# KiCad board prototype-mk1_panel.kicad_pcb
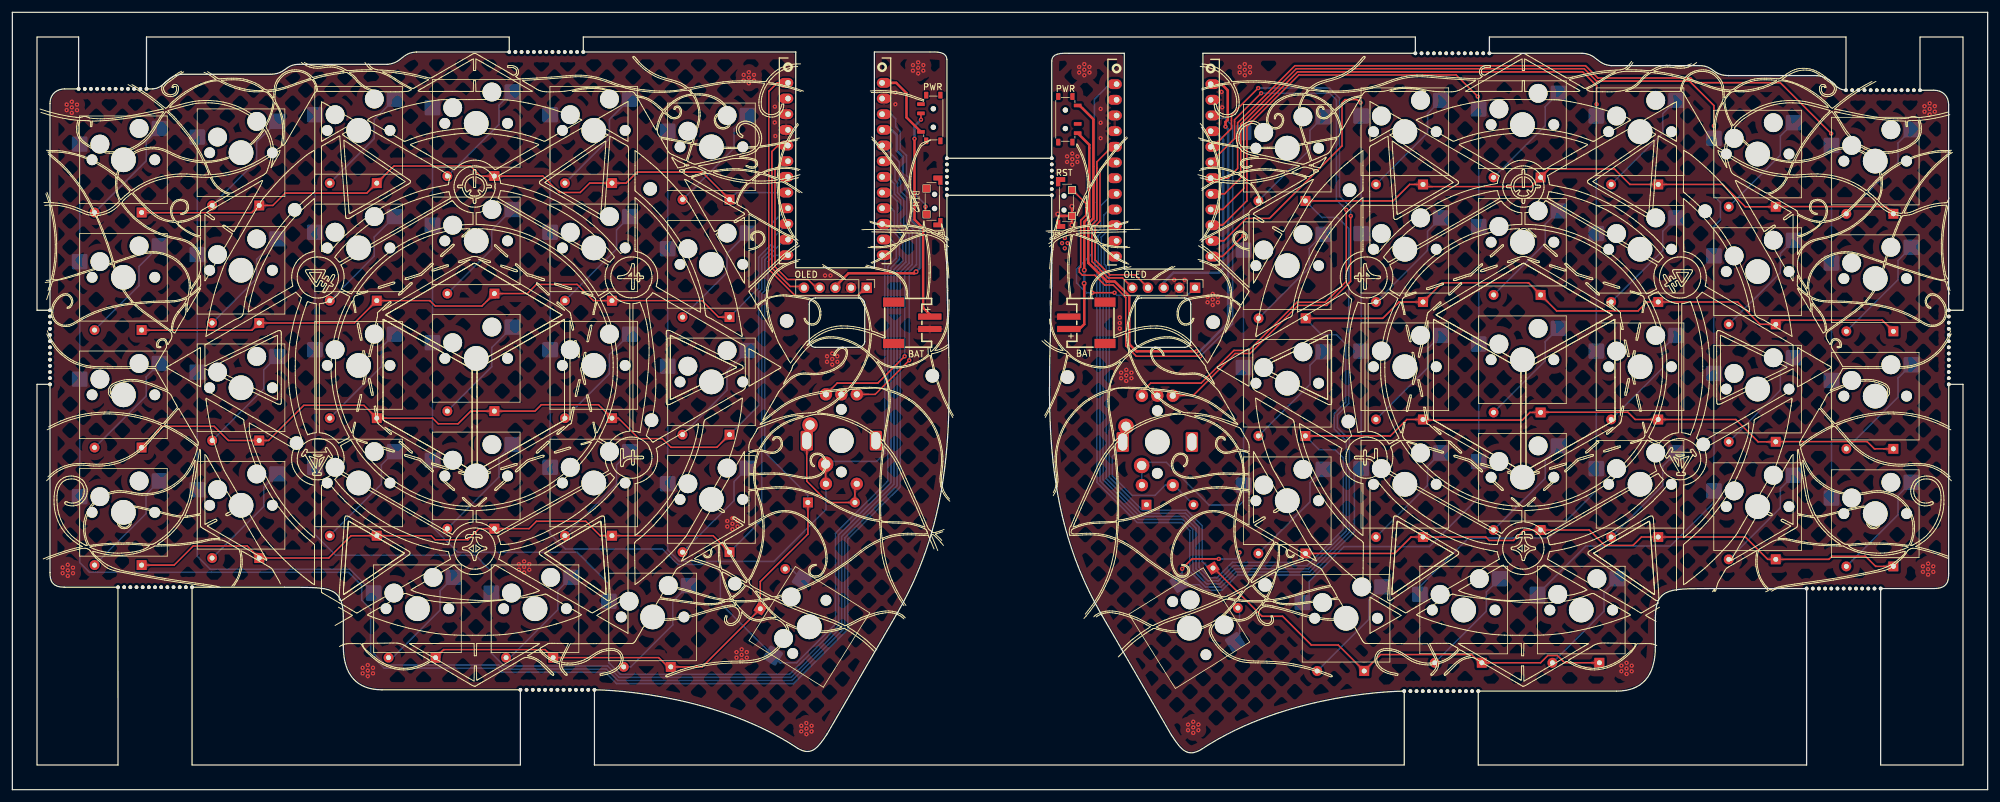
[diagram p0: board, top side]
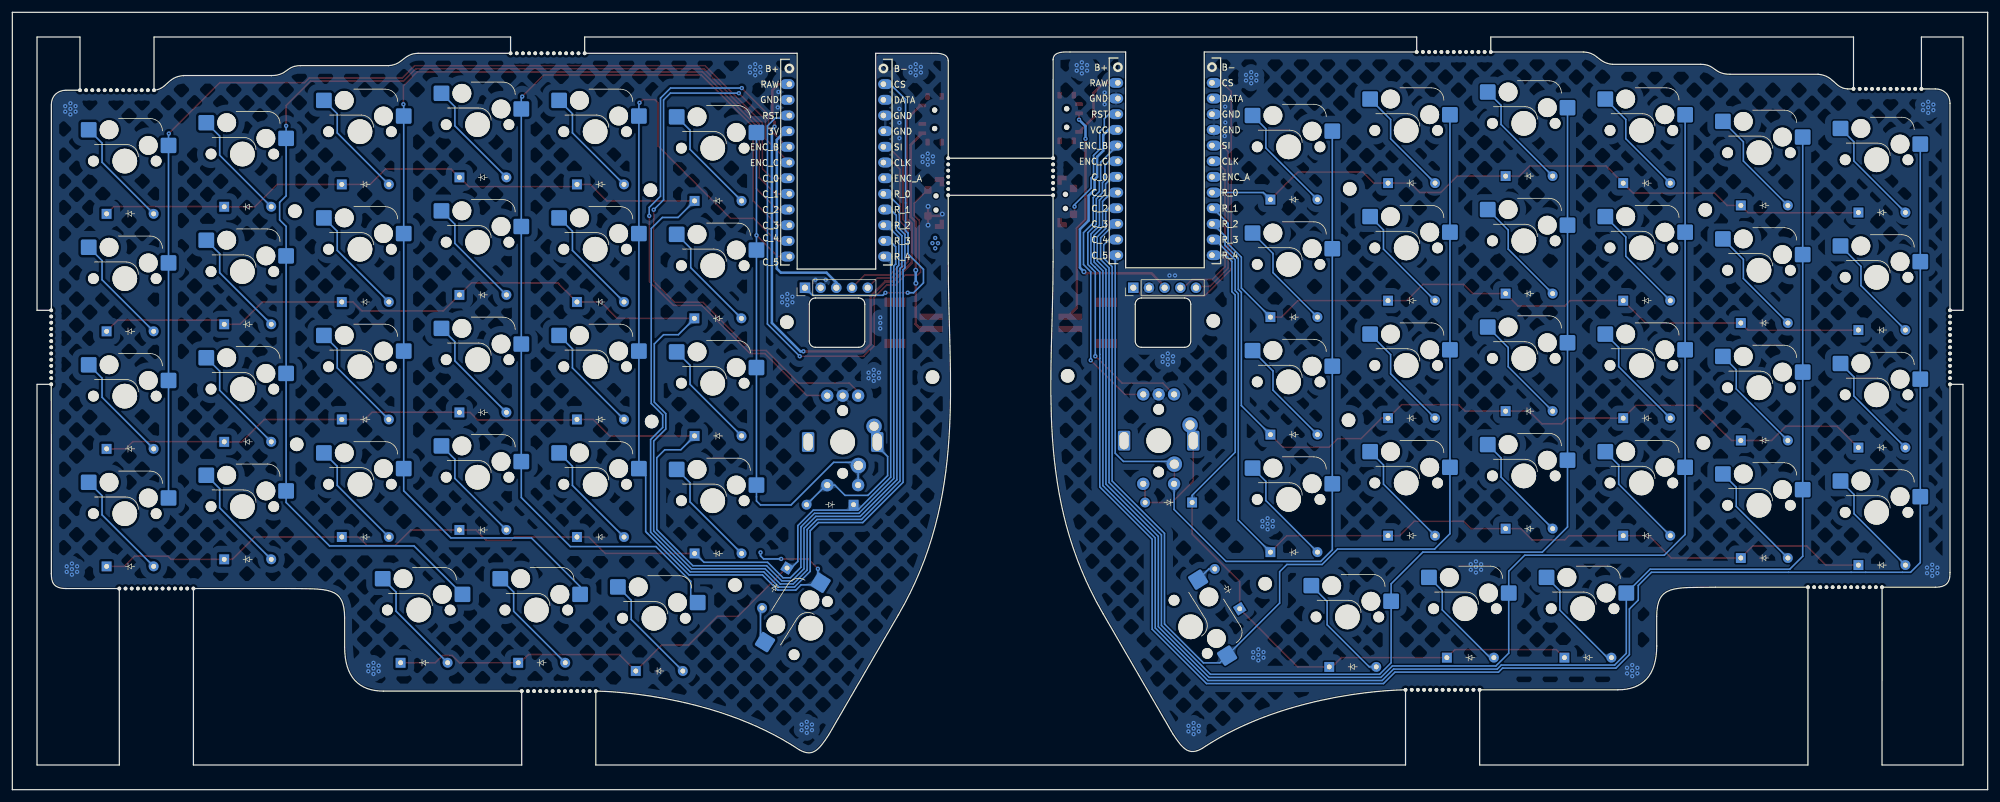
[diagram p1: board, bottom side, seen from below]

Outline 320 x 126 mm; copper layers: Top, Bottom. Coordinates in mm from the lower left corner of the outline.
Outline path: 6.1,35.19 6.1,65.7 4,65.7 4,4 17.11,4 17.1,32.82 8.48,32.82 ; 6.1,111.21 6.1,77.7 4,77.7 4,122 10.73,122 10.73,113.59 8.48,113.59 ; 22.73,113.59 21.73,113.59 21.73,122 80.49,122 80.49,119.57 65.49,119.57 ; 41.74,115.96 27.48,115.96 ; 44.11,32.82 29.11,32.82 29.11,4 82.3,4 82.3,16.19 59.9,16.19 ; 46.49,117.57 60.74,117.57 ; 53.62,28.07 53.62,23.32 ; 94.3,16.19 94.3,4 225.48,4 225.48,15.97 ; 130.09,71.7 arc(129.39,71.99) 129.09,72.7 129.09,78.7 arc(129.39,79.41) 130.1,79.7 137.09,79.7 arc(137.8,79.41) 138.09,78.7 138.09,72.7 arc(137.8,71.99) 137.09,71.7 130.1,71.7 ; 132.01,9.06 143.29,28.51 ; 148.64,119.57 139.65,119.57 139.65,84.59 126.92,84.59 126.92,119.57 92.49,119.57 92.49,122 227.29,122 227.29,119.36 192.87,119.36 192.87,84.38 180.14,84.38 180.14,119.36 171.14,119.36 ; 151.4,118.34 151.4,102.35 168.39,102.35 168.39,118.13 ; 151.4,85.57 151.4,96.35 168.39,96.35 168.39,85.36 ; 187.77,8.85 176.49,28.3 ; 259.88,15.97 237.48,15.97 237.48,4 290.67,4 290.67,32.6 275.67,32.6 ; 254.29,119.36 239.29,119.36 239.29,122 297.05,122 297.05,113.37 ; 266.17,23.1 266.17,27.85 ; 273.29,117.36 259.04,117.36 ; 278.04,115.75 278.04,115.75 292.3,115.75 292.3,115.75 ; 311.3,32.6 302.67,32.6 302.67,4 316,4 316,65.7 313.7,65.7 313.68,34.98 313.68,34.98 ; 311.3,113.37 309.05,113.37 309.05,122 316,122 316,77.7 313.68,77.7 313.68,111 ; 0,126 320,126 320,0 0,0 0,126 ; 181.9,78.7 arc(182.19,79.41) 182.9,79.7 189.9,79.7 arc(190.61,79.41) 190.9,78.7 190.9,72.7 arc(190.61,71.99) 189.9,71.7 182.9,71.7 arc(182.19,71.99) 181.9,72.7 181.9,78.7
Stack: Top 0.035mm / dielectric 1.51mm FR4 er 4.5 / Bottom 0.035mm

## Placement (name value [footprint] x y rotation side)
BJ1  BATT_CON_1  [Connector_1x02_JST-PH]  145.7 75.67 270 top
BJ2  BATT_CON  [Connector_1x02_JST-PH]  174.09 75.67 90 top
BTN1  PWR_SW  [Switch_MSK12C02]  149.2 108.87 270 top
BTN2  RST_SW  [Right-Angle_PushButton]  149.4 95.35 270 top
BTN3  PWR_SW  [Switch_MSK12C02]  170.59 108.66 90 top
BTN4  RST_SW  [Right-Angle_PushButton]  170.37 95.1 90 top
D1  Diode  [Diode_DO-35]  20.94 93.55 180 bottom
D2  Diode  [Diode_DO-35]  20.94 74.5 180 bottom
D3  Diode  [Diode_DO-35]  20.94 55.45 180 bottom
D4  Diode  [Diode_DO-35]  20.94 36.4 180 bottom
D5  Diode  [Diode_DO-35]  39.99 94.7 180 bottom
D6  Diode  [Diode_DO-35]  39.99 75.65 180 bottom
D7  Diode  [Diode_DO-35]  39.99 56.6 180 bottom
D8  Diode  [Diode_DO-35]  39.99 37.55 180 bottom
D9  Diode  [Diode_DO-35]  59.04 98.32 180 bottom
D10  Diode  [Diode_DO-35]  59.04 79.27 180 bottom
D11  Diode  [Diode_DO-35]  59.04 60.22 180 bottom
D12  Diode  [Diode_DO-35]  59.04 41.17 180 bottom
D13  Diode  [Diode_DO-35]  68.56 21.4 180 bottom
D14  Diode  [Diode_DO-35]  78.09 99.46 180 bottom
D15  Diode  [Diode_DO-35]  78.09 80.41 180 bottom
D16  Diode  [Diode_DO-35]  78.09 61.36 180 bottom
D17  Diode  [Diode_DO-35]  78.09 42.31 180 bottom
D18  Diode  [Diode_DO-35]  87.61 21.4 180 bottom
D19  Diode  [Diode_DO-35]  97.14 98.32 180 bottom
D20  Diode  [Diode_DO-35]  97.14 79.27 180 bottom
D21  Diode  [Diode_DO-35]  97.14 60.22 180 bottom
D22  Diode  [Diode_DO-35]  97.14 41.17 180 bottom
D23  Diode  [Diode_DO-35]  106.66 19.9 180 bottom
D24  Diode  [Diode_DO-35]  116.19 95.65 180 bottom
D25  Diode  [Diode_DO-35]  116.19 76.6 180 bottom
D26  Diode  [Diode_DO-35]  116.19 57.55 180 bottom
D27  Diode  [Diode_DO-35]  116.19 38.5 180 bottom
D28  Diode  [Diode_DO-35]  121.17 29.32 58 bottom
D29  Diode  [Diode_DO-35]  194.5 35.92 302 bottom
D30  Diode  [Diode_DO-35]  209.48 95.44 180 bottom
D31  Diode  [Diode_DO-35]  209.51 76.4 180 bottom
D32  Diode  [Diode_DO-35]  209.48 57.34 180 bottom
D33  Diode  [Diode_DO-35]  209.48 38.29 180 bottom
D34  Diode  [Diode_DO-35]  219 19.24 180 bottom
D35  Diode  [Diode_DO-35]  228.53 98.1 180 bottom
D36  Diode  [Diode_DO-35]  228.53 79.05 180 bottom
D37  Diode  [Diode_DO-35]  228.53 60 180 bottom
D38  Diode  [Diode_DO-35]  228.53 40.95 180 bottom
D39  Diode  [Diode_DO-35]  238.05 20.57 180 bottom
D40  Diode  [Diode_DO-35]  247.58 99.25 180 bottom
D41  Diode  [Diode_DO-35]  247.58 80.2 180 bottom
D42  Diode  [Diode_DO-35]  247.58 61.15 180 bottom
D43  Diode  [Diode_DO-35]  247.58 42.1 180 bottom
D44  Diode  [Diode_DO-35]  257.1 20.57 180 bottom
D45  Diode  [Diode_DO-35]  266.63 98.1 180 bottom
D46  Diode  [Diode_DO-35]  266.63 79.05 180 bottom
D47  Diode  [Diode_DO-35]  266.63 60 180 bottom
D48  Diode  [Diode_DO-35]  266.63 40.95 180 bottom
D49  Diode  [Diode_DO-35]  285.68 94.49 180 bottom
D50  Diode  [Diode_DO-35]  285.68 75.44 180 bottom
D51  Diode  [Diode_DO-35]  285.68 56.39 180 bottom
D52  Diode  [Diode_DO-35]  285.68 37.34 180 bottom
D53  Diode  [Diode_DO-35]  304.73 93.34 180 bottom
D54  Diode  [Diode_DO-35]  304.73 74.29 180 bottom
D55  Diode  [Diode_DO-35]  304.73 55.24 180 bottom
D56  Diode  [Diode_DO-35]  304.73 36.19 180 bottom
D57  Diode  [Diode_DO-35]  128.88 46.55 0 bottom
D58  Diode  [Diode_DO-35]  183.72 46.19 0 bottom
H1  MountingHole  [MountingHole_2.2mm_M2]  45.74 93.99 0 top
H2  MountingHole  [MountingHole_2.2mm_M2]  46.04 56.19 0 top
H3  MountingHole  [MountingHole_2.2mm_M2]  103.34 97.39 0 top
H4  MountingHole  [MountingHole_2.2mm_M2]  103.54 59.89 0 top
H5  MountingHole  [MountingHole_2.2mm_M2]  149.04 67.09 0 top
H6  MountingHole  [MountingHole_2.2mm_M2]  125.44 75.99 0 top
H7  MountingHole  [MountingHole_2.2mm_M2]  117.04 33.39 0 top
H8  MountingHole  [MountingHole_2.2mm_M2]  202.93 33.17 180 bottom
H9  MountingHole  [MountingHole_2.2mm_M2]  170.93 66.87 180 bottom
H10  MountingHole  [MountingHole_2.2mm_M2]  274.23 93.77 180 bottom
H11  MountingHole  [MountingHole_2.2mm_M2]  273.93 55.97 180 bottom
H12  MountingHole  [MountingHole_2.2mm_M2]  216.63 97.17 180 bottom
H13  MountingHole  [MountingHole_2.2mm_M2]  194.53 75.77 180 bottom
H14  MountingHole  [MountingHole_2.2mm_M2]  216.43 59.67 180 bottom
J1  OLED  [nice_view_LS011B7DH03]  133.3 81.36 270 top
J3  OLED  [nice_view_LS011B7DH03]  186.49 81.36 270 top
NOREF  -  [unnamed]  168.39 97.35 270 top
NOREF#2  -  [unnamed]  313.7 70.7 90 top
NOREF#3  -  [unnamed]  25.11 32.82 0 top
NOREF#4  -  [unnamed]  238.29 119.36 0 top
NOREF#5  -  [unnamed]  231.48 15.97 180 top
NOREF#6  -  [unnamed]  6.1 71.7 90 top
NOREF#7  -  [unnamed]  232.48 15.97 180 top
NOREF#8  -  [unnamed]  11.73 113.59 0 top
NOREF#9  -  [unnamed]  300.05 113.37 180 top
NOREF#10  -  [unnamed]  88.49 119.57 180 top
NOREF#11  -  [unnamed]  313.7 75.7 90 top
NOREF#12  -  [unnamed]  90.3 16.19 0 top
NOREF#13  -  [unnamed]  228.29 119.36 0 top
NOREF#14  -  [unnamed]  6.1 67.7 90 top
NOREF#15  -  [unnamed]  229.29 119.36 0 top
NOREF#16  -  [unnamed]  313.7 72.7 90 top
NOREF#17  -  [unnamed]  313.7 65.7 90 top
NOREF#18  -  [unnamed]  308.05 113.37 180 top
NOREF#19  -  [unnamed]  229.48 15.97 180 top
NOREF#20  -  [unnamed]  239.29 119.36 0 top
NOREF#21  -  [unnamed]  230.48 15.97 180 top
NOREF#22  -  [unnamed]  21.11 32.82 0 top
NOREF#23  -  [unnamed]  306.05 113.37 180 top
NOREF#24  -  [unnamed]  151.4 101.35 90 top
NOREF#25  -  [unnamed]  235.29 119.36 0 top
NOREF#26  -  [unnamed]  20.73 113.59 0 top
NOREF#27  -  [unnamed]  313.7 68.7 90 top
NOREF#28  -  [unnamed]  27.11 32.82 0 top
NOREF#29  -  [unnamed]  313.7 66.7 90 top
NOREF#30  -  [unnamed]  233.29 119.36 0 top
NOREF#31  -  [unnamed]  151.4 100.35 90 top
NOREF#32  -  [unnamed]  291.67 32.6 180 top
NOREF#33  -  [unnamed]  298.67 32.6 180 top
NOREF#34  -  [unnamed]  21.73 113.59 0 top
NOREF#35  -  [unnamed]  29.11 32.82 0 top
NOREF#36  -  [unnamed]  6.1 66.7 90 top
NOREF#37  -  [unnamed]  17.73 113.59 0 top
NOREF#38  -  [unnamed]  91.49 119.57 180 top
NOREF#39  -  [unnamed]  20.11 32.82 0 top
NOREF#40  -  [unnamed]  313.7 69.7 90 top
NOREF#41  -  [unnamed]  90.49 119.57 180 top
NOREF#42  -  [unnamed]  230.29 119.36 0 top
NOREF#43  -  [unnamed]  298.05 113.37 180 top
NOREF#44  -  [unnamed]  305.05 113.37 180 top
NOREF#45  -  [unnamed]  24.11 32.82 0 top
NOREF#46  -  [unnamed]  225.48 15.97 180 top
NOREF#47  -  [unnamed]  6.1 70.7 90 top
NOREF#48  -  [unnamed]  83.3 16.19 0 top
NOREF#49  -  [unnamed]  231.29 119.36 0 top
NOREF#50  -  [unnamed]  168.39 96.35 0 top
NOREF#51  -  [unnamed]  85.49 119.57 180 top
NOREF#52  -  [unnamed]  12.73 113.59 0 top
NOREF#53  -  [unnamed]  309.05 113.37 180 top
NOREF#54  -  [unnamed]  228.48 15.97 180 top
NOREF#55  -  [unnamed]  82.49 119.57 180 top
NOREF#56  -  [unnamed]  313.7 74.7 90 top
NOREF#57  -  [unnamed]  28.11 32.82 0 top
NOREF#58  -  [unnamed]  16.73 113.59 0 top
NOREF#59  -  [unnamed]  234.48 15.97 180 top
NOREF#60  -  [unnamed]  88.3 16.19 0 top
NOREF#61  -  [unnamed]  87.49 119.57 180 top
NOREF#62  -  [unnamed]  18.11 32.82 0 top
NOREF#63  -  [unnamed]  6.1 77.7 90 top
NOREF#64  -  [unnamed]  151.4 98.35 90 top
NOREF#65  -  [unnamed]  92.49 119.57 180 top
NOREF#66  -  [unnamed]  84.49 119.57 180 top
NOREF#67  -  [unnamed]  313.7 67.7 90 top
NOREF#68  -  [unnamed]  168.39 98.35 90 top
NOREF#69  -  [unnamed]  84.3 16.19 0 top
NOREF#70  -  [unnamed]  297.67 32.6 180 top
NOREF#71  -  [unnamed]  313.7 73.7 90 top
NOREF#72  -  [unnamed]  296.67 32.6 180 top
NOREF#73  -  [unnamed]  15.73 113.59 0 top
NOREF#74  -  [unnamed]  6.1 69.7 90 top
NOREF#75  -  [unnamed]  237.48 15.97 180 top
NOREF#76  -  [unnamed]  151.4 96.35 270 top
NOREF#77  -  [unnamed]  6.1 65.7 90 top
NOREF#78  -  [unnamed]  89.49 119.57 180 top
NOREF#79  -  [unnamed]  237.29 119.36 0 top
NOREF#80  -  [unnamed]  168.39 102.35 270 top
NOREF#81  -  [unnamed]  80.49 119.57 180 top
NOREF#82  -  [unnamed]  89.3 16.19 0 top
NOREF#83  -  [unnamed]  301.05 113.37 180 top
NOREF#84  -  [unnamed]  235.48 15.97 180 top
NOREF#85  -  [unnamed]  26.11 32.82 0 top
NOREF#86  -  [unnamed]  234.29 119.36 0 top
NOREF#87  -  [unnamed]  236.48 15.97 180 top
NOREF#88  -  [unnamed]  297.05 113.37 180 top
NOREF#89  -  [unnamed]  91.3 16.19 0 top
NOREF#90  -  [unnamed]  290.67 32.6 180 top
NOREF#91  -  [unnamed]  19.11 32.82 0 top
NOREF#92  -  [unnamed]  168.39 100.35 90 top
NOREF#93  -  [unnamed]  151.4 97.35 270 top
NOREF#94  -  [unnamed]  227.29 119.36 0 top
NOREF#95  -  [unnamed]  313.7 71.7 90 top
NOREF#96  -  [unnamed]  302.05 113.37 180 top
NOREF#97  -  [unnamed]  293.67 32.6 180 top
NOREF#98  -  [unnamed]  292.67 32.6 180 top
NOREF#99  -  [unnamed]  303.05 113.37 180 top
NOREF#100  -  [unnamed]  92.3 16.19 0 top
NOREF#101  -  [unnamed]  93.3 16.19 0 top
NOREF#102  -  [unnamed]  14.73 113.59 0 top
NOREF#103  -  [unnamed]  304.05 113.37 180 top
NOREF#104  -  [unnamed]  6.1 68.7 90 top
NOREF#105  -  [unnamed]  17.11 32.82 0 top
NOREF#106  -  [unnamed]  6.1 74.7 90 top
NOREF#107  -  [unnamed]  299.67 32.6 180 top
NOREF#108  -  [unnamed]  313.7 77.7 90 top
NOREF#109  -  [unnamed]  10.73 113.59 0 top
NOREF#110  -  [unnamed]  81.49 119.57 180 top
NOREF#111  -  [unnamed]  22.11 32.82 0 top
NOREF#112  -  [unnamed]  295.67 32.6 180 top
NOREF#113  -  [unnamed]  151.4 99.35 90 top
NOREF#114  -  [unnamed]  226.48 15.97 180 top
NOREF#115  -  [unnamed]  313.7 76.7 90 top
NOREF#116  -  [unnamed]  82.3 16.19 0 top
NOREF#117  -  [unnamed]  6.1 76.7 90 top
NOREF#118  -  [unnamed]  85.3 16.19 0 top
NOREF#119  -  [unnamed]  86.3 16.19 0 top
NOREF#120  -  [unnamed]  23.11 32.82 0 top
NOREF#121  -  [unnamed]  236.29 119.36 0 top
NOREF#122  -  [unnamed]  6.1 75.7 90 top
NOREF#123  -  [unnamed]  6.1 72.7 90 top
NOREF#124  -  [unnamed]  301.67 32.6 180 top
NOREF#125  -  [unnamed]  294.67 32.6 180 top
NOREF#126  -  [unnamed]  6.1 73.7 90 top
NOREF#127  -  [unnamed]  87.3 16.19 0 top
NOREF#128  -  [unnamed]  19.73 113.59 0 top
NOREF#129  -  [unnamed]  299.05 113.37 180 top
NOREF#130  -  [unnamed]  151.4 102.35 270 top
NOREF#131  -  [unnamed]  168.39 101.35 90 top
NOREF#132  -  [unnamed]  86.49 119.57 180 top
NOREF#133  -  [unnamed]  227.48 15.97 180 top
NOREF#134  -  [unnamed]  13.73 113.59 0 top
NOREF#135  -  [unnamed]  302.67 32.6 180 top
NOREF#136  -  [unnamed]  94.3 16.19 0 top
NOREF#137  -  [unnamed]  300.67 32.6 180 top
NOREF#138  -  [unnamed]  232.29 119.36 0 top
NOREF#139  -  [unnamed]  168.39 99.35 90 top
NOREF#140  -  [unnamed]  233.48 15.97 180 top
NOREF#141  -  [unnamed]  18.73 113.59 0 top
NOREF#142  -  [unnamed]  83.49 119.57 180 top
NOREF#143  -  [unnamed]  307.05 113.37 180 top
RE1  ROTARY_ENC  [Encoder_EC11_MX_Combo]  134.3 56.57 270 top
RE2  ROTARY_ENC  [Encoder_EC11_MX_Combo]  185.49 56.36 270 top
S1  Keyswitch  [Hotswap_MX_1.00u]  18 102.1 0 top
S2  Keyswitch  [Hotswap_MX_1.00u]  18 83.05 0 top
S3  Keyswitch  [Hotswap_MX_1.00u]  18 64 0 top
S4  Keyswitch  [Hotswap_MX_1.00u]  18 44.95 0 top
S5  Keyswitch  [Hotswap_MX_1.00u]  37.05 103.24 0 top
S6  Keyswitch  [Hotswap_MX_1.00u]  37.05 84.19 0 top
S7  Keyswitch  [Hotswap_MX_1.00u]  37.05 65.14 0 top
S8  Keyswitch  [Hotswap_MX_1.00u]  37.05 46.09 0 top
S9  Keyswitch  [Hotswap_MX_1.00u]  56.1 106.86 0 top
S10  Keyswitch  [Hotswap_MX_1.00u]  56.1 87.81 0 top
S11  Keyswitch  [Hotswap_MX_1.00u]  56.1 68.76 0 top
S12  Keyswitch  [Hotswap_MX_1.00u]  56.1 49.71 0 top
S13  Keyswitch  [Hotswap_MX_1.00u]  65.62 29.33 0 top
S14  Keyswitch  [Hotswap_MX_1.00u]  75.15 108.01 0 top
S15  Keyswitch  [Hotswap_MX_1.00u]  75.15 88.96 0 top
S16  Keyswitch  [Hotswap_MX_1.00u]  75.15 69.91 0 top
S17  Keyswitch  [Hotswap_MX_1.00u]  75.15 50.86 0 top
S18  Keyswitch  [Hotswap_MX_1.00u]  84.67 29.33 0 top
S19  Keyswitch  [Hotswap_MX_1.00u]  94.2 106.86 0 top
S20  Keyswitch  [Hotswap_MX_1.00u]  94.2 87.81 0 top
S21  Keyswitch  [Hotswap_MX_1.00u]  94.2 68.76 0 top
S22  Keyswitch  [Hotswap_MX_1.00u]  94.2 49.71 0 top
S23  Keyswitch  [Hotswap_MX_1.00u]  103.72 28 0 top
S24  Keyswitch  [Hotswap_MX_1.00u]  113.25 104.2 0 top
S25  Keyswitch  [Hotswap_MX_1.00u]  113.25 85.15 0 top
S26  Keyswitch  [Hotswap_MX_1.00u]  113.25 66.1 0 top
S27  Keyswitch  [Hotswap_MX_1.00u]  113.25 47.05 0 top
S28  Keyswitch  [Hotswap_MX_1.50u]  129.12 26.39 58 top
S29  Keyswitch  [Hotswap_MX_1.50u]  190.67 26.18 302 top
S30  Keyswitch  [Hotswap_MX_1.00u]  206.54 103.98 0 top
S31  Keyswitch  [Hotswap_MX_1.00u]  206.54 84.93 0 top
S32  Keyswitch  [Hotswap_MX_1.00u]  206.54 65.88 0 top
S33  Keyswitch  [Hotswap_MX_1.00u]  206.54 46.83 0 top
S34  Keyswitch  [Hotswap_MX_1.00u]  216.06 27.78 0 top
S35  Keyswitch  [Hotswap_MX_1.00u]  225.59 106.65 0 top
S36  Keyswitch  [Hotswap_MX_1.00u]  225.59 87.6 0 top
S37  Keyswitch  [Hotswap_MX_1.00u]  225.59 68.55 0 top
S38  Keyswitch  [Hotswap_MX_1.00u]  225.59 49.5 0 top
S39  Keyswitch  [Hotswap_MX_1.00u]  235.11 29.12 0 top
S40  Keyswitch  [Hotswap_MX_1.00u]  244.64 107.79 0 top
S41  Keyswitch  [Hotswap_MX_1.00u]  244.64 88.74 0 top
S42  Keyswitch  [Hotswap_MX_1.00u]  244.64 69.69 0 top
S43  Keyswitch  [Hotswap_MX_1.00u]  244.64 50.64 0 top
S44  Keyswitch  [Hotswap_MX_1.00u]  254.16 29.12 0 top
S45  Keyswitch  [Hotswap_MX_1.00u]  263.69 106.65 0 top
S46  Keyswitch  [Hotswap_MX_1.00u]  263.69 87.6 0 top
S47  Keyswitch  [Hotswap_MX_1.00u]  263.69 68.55 0 top
S48  Keyswitch  [Hotswap_MX_1.00u]  263.69 49.5 0 top
S49  Keyswitch  [Hotswap_MX_1.00u]  282.74 103.03 0 top
S50  Keyswitch  [Hotswap_MX_1.00u]  282.74 83.98 0 top
S51  Keyswitch  [Hotswap_MX_1.00u]  282.74 64.93 0 top
S52  Keyswitch  [Hotswap_MX_1.00u]  282.74 45.88 0 top
S53  Keyswitch  [Hotswap_MX_1.00u]  301.79 101.89 0 top
S54  Keyswitch  [Hotswap_MX_1.00u]  301.79 82.84 0 top
S55  Keyswitch  [Hotswap_MX_1.00u]  301.79 63.79 0 top
S56  Keyswitch  [Hotswap_MX_1.00u]  301.79 44.74 0 top
U1  nice_nano  [SuperMini NRF52840 - Edge_Mount]  133.28 101.82 0 top
U2  nice_nano  [SuperMini NRF52840 - Edge_Mount]  186.51 101.61 0 top

## Library data of the parts
BJ1 BJ2 = -: Description: JST Connector  2 pins; LCSC: C295747; ki_fp_filters: Connector_JST:JST_EH_S2B-EH_1x02_P2.50mm_Horizontal
BTN1 BTN3 = -: Datasheet: https://www.we-online.com/components/products/datasheet/450301014042.pdf; Description: C431540; ki_fp_filters: SW*Wuerth*WS*SLTV*10x2.5x6.4*P2.54mm*
BTN2 BTN4 = -: Description: C961745; ki_fp_filters: *SW*KMS2*GP*
D1-D58 = -: Description: 1N4148 (DO-35) or 1N4148W (SOD-123); Sim.Device: D; Sim.Pins: 1=K 2=A; ki_fp_filters: D*DO?35*
H1-H14 = -: Description: Mounting Hole without connection; ki_fp_filters: MountingHole*
J1 J3 = -: ki_fp_filters: Connector*:*_1x??_*
RE1 RE2 = -: Description: Rotary encoder, dual channel, incremental quadrate outputs, with switch; COL: 4; ki_fp_filters: RotaryEncoder*Switch*
S1 S5 S9 S14 S19 S24 S30 S35 S40 S45 S49 S53 = -: Description: Push button switch, normally open, two pins, 45° tilted; COL: 0
S2 S6 S10 S15 S20 S25 S31 S36 S41 S46 S50 S54 = -: Description: Push button switch, normally open, two pins, 45° tilted; COL: 1
S3 S7 S11 S16 S21 S26 S32 S37 S42 S47 S51 S55 = -: Description: Push button switch, normally open, two pins, 45° tilted; COL: 2
S4 S8 S12 S17 S22 S27 S33 S38 S43 S48 S52 S56 = -: Description: Push button switch, normally open, two pins, 45° tilted; COL: 3
S13 S18 S23 S34 S39 S44 = -: Description: Push button switch, normally open, two pins, 45° tilted; COL: 4
S28 S29 = -: COL: 4
